# KiCad board Scopetrex.kicad_pcb (continued)
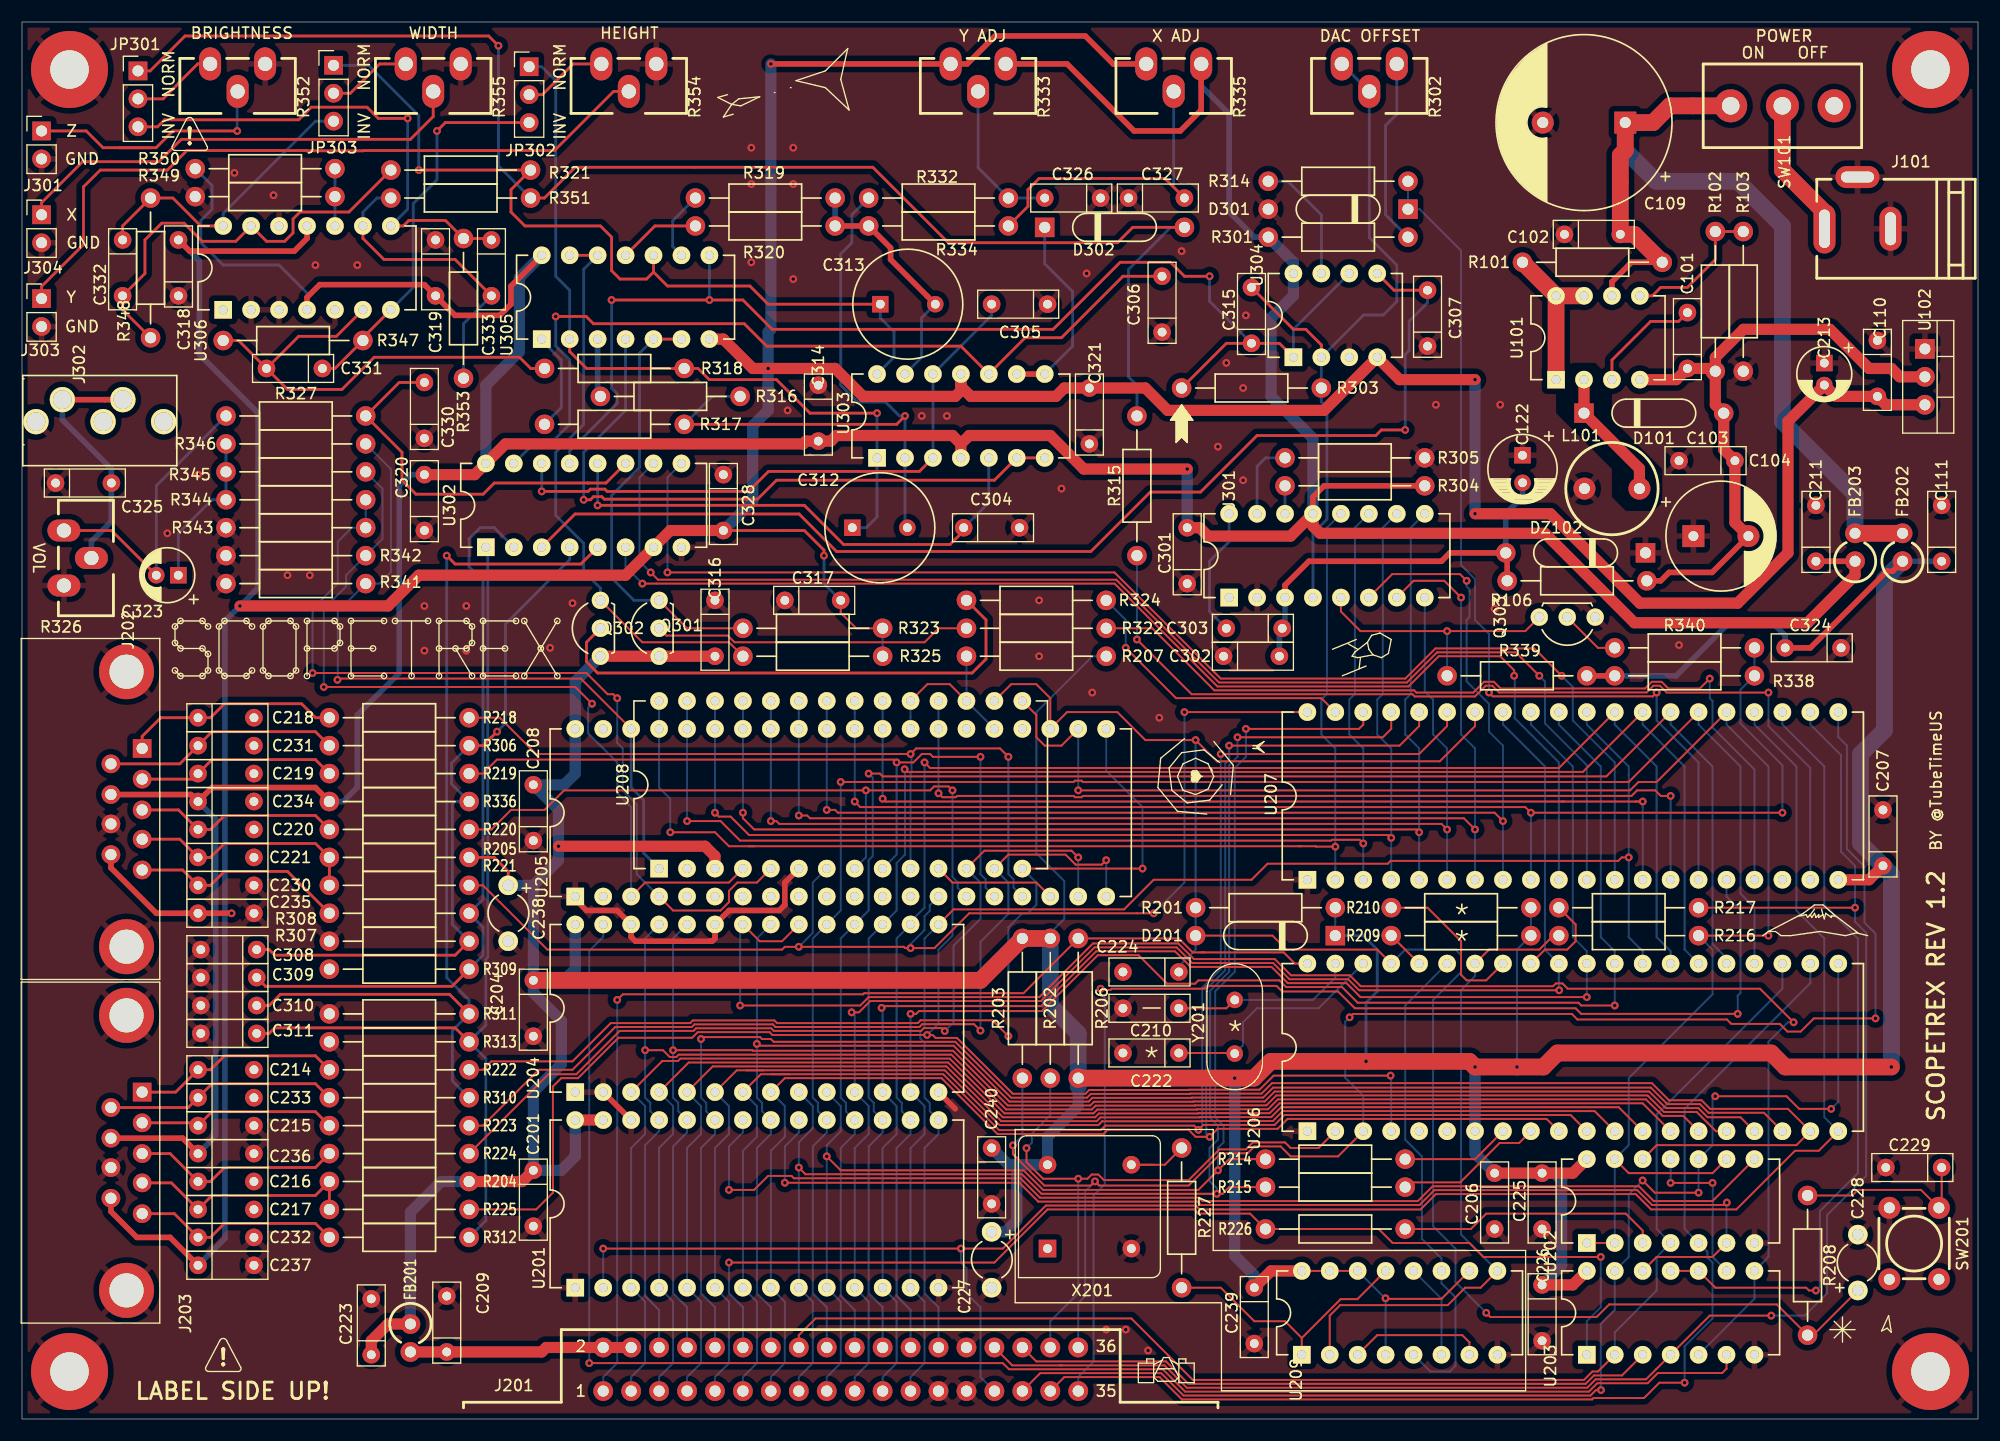
[diagram p0: board, top side]
## Routing (per net, layer and track width the routed paths; a pad name or vN(x,y) marks a point on that pad's centre or on a via; arc(x,y) is an arc through that point) (continued)
/SEL1: length 118.4
  Top w0.178: v1(139.95,67.56) 137.46,70.05 128.48,70.05 125.74,67.31 108.97,67.31 108.4,67.88 108.39,67.88 99.3,76.96 v1(58.67,76.96)
  Bottom w0.178: U302.9 58.67,85.6 v1(58.67,76.96) ; v1(139.95,67.56) 140.97,66.55 140.97,63.5 144.78,59.69 U207.12
/SH: length 109.4
  Top w0.178: v1(56.39,75.95) 99.31,75.95 108.66,66.6 126.03,66.6 128.78,69.34 134.36,69.34 135.64,68.07 v1(135.64,67.56)
  Bottom w0.178: v1(56.39,75.95) 54.86,77.47 U302.6 ; U207.10 139.7,59.69 135.69,63.7 135.69,67.51 v1(135.64,67.56)
/SW0: length 93.9
  Top w0.178: v1(89.66,34.8) 88.21,36.25 81.68,36.25 81.43,35.99 68.64,35.99 68.39,36.23 60.98,36.23 60.74,35.99 53.52,35.99 50.04,32.51 42.66,32.51 41.9,31.75 R222.2 ; U208.14 98.68,50.04 ; v1(101.85,50.04) 98.68,50.04 ; 98.68,50.04 98.55,50.04
  Bottom w0.178: U208.14 92.2,48.77 92.2,46.74 91.44,45.97 90.93,45.97 89.66,44.7 v1(89.66,34.8) ; v1(101.85,50.04) 101.85,55.63 98.55,58.93 U205.21
/SW1: length 82.4
  Top w0.178: 83.39,35.89 81.83,35.89 81.57,35.64 68.49,35.64 68.25,35.88 61.13,35.88 60.89,35.64 53.92,35.64 50.04,31.75 46.98,31.75 41.9,26.67 R223.2 ; 83.39,35.89 84.18,35.89 ; 83.39,35.89 86.54,35.89 v1(87.12,35.31) ; v1(98.55,50.8) 98.15,50.39 95.78,50.39 94.86,51.31 89.66,51.31 U208.13
  Bottom w0.178: v1(98.55,50.8) U205.20 ; U208.13 89.66,48.77 89.66,45.92 87.12,43.38 v1(87.12,35.31)
/SW2: length 79.6
  Top w0.178: v1(83.88,35.27) 83.61,35.53 81.97,35.53 81.72,35.28 68.34,35.28 68.1,35.52 61.28,35.52 61.03,35.28 54.33,35.28 50.39,31.34 47.85,31.34 R224.2 ; U208.12 87.48,51.66 95.4,51.66 v1(96.01,51.05)
  Bottom w0.178: U208.12 87.12,48.77 87.12,45.47 84.68,43.03 84.68,36.07 v1(83.88,35.27) ; U205.19 v1(96.01,51.05)
/SW3: length 132
  Top w0.178: U205.18 92.2,48.77 84.58,48.77 U208.11 ; v1(124.4,31.22) 113.77,31.22 112.49,29.93 106.05,29.93 106.03,29.91 97.01,29.91 96.66,29.57 90.06,29.57 84.98,34.65 83.04,34.65 82.78,34.91 v1(82.27,34.91) 68.21,34.91 67.95,35.17 61.42,35.17 60.92,34.66 54.22,34.66 50.55,30.99 49.02,30.99 48.26,30.23 48.26,20.57 46.74,19.05 R225.2
  Bottom w0.178: 124.46,30.23 124.46,31.16 v1(124.4,31.22) ; v1(82.27,34.91) 83.31,35.95 83.31,42.67 84.58,43.94 84.58,48.77 U208.11 ; U206.4 124.46,30.25
/SW4: length 74.6
  Top w0.178: v1(89.66,60.2) 88.9,60.96 81.28,60.96 v1(80.77,60.45) 46.74,60.45 43.43,63.75 R218.2
  Bottom w0.178: v1(89.66,60.2) 89.66,49.53 90.13,49.06 90.13,48.3 U205.17 ; v1(80.77,60.45) 80.86,60.36 80.86,58.77 80.77,58.68 U208.10
/SW5: length 70.9
  Top w0.178: v1(87.12,60.2) 82.8,60.2 82.55,60.45 81.79,60.45 81.03,59.69 v1(79.5,59.69) 79.25,59.94 43.17,59.94 41.9,58.67 R219.2
  Bottom w0.178: v1(79.5,59.69) 79.5,51.31 U208.9 ; v1(87.12,60.2) 87.12,49.53 87.59,49.06 87.59,48.3 U205.16
/SW6: length 63.4
  Top w0.178: R220.2 42.67,53.59 44.45,55.37 47.5,55.37 49.28,57.15 v1(76.71,57.15) 82.55,57.15 82.91,57.51 84.23,57.51 v1(84.58,57.15)
  Bottom w0.178: v1(84.58,57.15) 84.58,49.28 85.05,48.81 85.05,48.3 U205.15 ; v1(76.71,57.15) 76.71,51.05 U208.8
/SW7: length 110.6
  Top w0.178: v1(102.87,45.97) 86.11,45.97 82.94,42.81 v1(80.77,42.81) 80.27,42.81 80.15,42.93 v1(70.61,42.93) 69.34,42.93 69.09,42.67 47.75,42.67 43.43,46.99 43.42,46.99 41.9,48.51 R221.2 ; v1(105.66,64.26) U207.40
  Bottom w0.178: U205.14 82.51,46.7 82.51,46.19 82.04,45.72 82.04,44.45 80.77,43.18 v1(80.77,42.81) ; v1(105.66,64.26) 105.66,48.77 v1(102.87,45.97) ; U208.7 71.88,48.77 71.88,44.2 v1(70.61,42.93)
/~{BLANK}: length 86.9
  Top w0.178: v1(158.75,66.04) 149.51,66.04 148.89,66.66 148.29,66.66 147.68,66.05 134.26,66.05 133.65,66.66 133.05,66.66 132.07,65.68 126.6,65.68 126.4,65.89 106.32,65.89 v1(101.35,70.87)
  Bottom w0.178: v1(101.35,70.87) R315.2 ; U207.19 162.56,59.18 158.75,62.99 v1(158.75,66.04)
/~{CARTS}: length 58.8
  Top w0.178: J201.32 92.2,5.23 103.99,5.23 106.02,3.2 142.13,3.2 142.9,3.96 145.44,3.96 U203.3
/~{E}: length 100.7
  Top w0.178: v1(143.51,14.73) 132.84,14.73 131.57,16 124.59,16 123.32,17.27 R226.2 111.63,18.67 106.93,18.67 106.55,19.05 93.22,19.05 88.39,14.22 v1(64.26,14.22)
  Bottom w0.178: v1(64.26,14.22) 64.26,11.43 65.53,10.16 J201.12 ; U203.1 142.24,8.89 143.51,10.16 v1(143.51,14.73)
/~{HALT}: length 102.3
  Top w0.178: 107.44,42.42 114.69,42.42 115.71,41.4 U206.40 ; 107.44,42.42 107.19,42.42 ; 107.44,42.42 106.42,42.42 105.15,43.69 R206.1 91.03,38.71 76.56,38.71 76.46,38.61 54.61,38.61 v1(54.1,38.1)
  Bottom w0.178: v1(54.1,38.1) 54.1,5.08 52.83,3.81 J201.1
/~{IOS}: length 70.9
  Top w0.178: U203.11 U203.10 153.92,11.94 162.18,11.94 162.43,11.68 v1(163.07,11.68)
  Bottom w0.178: U207.23 160.02,63.13 163.83,59.32 163.83,46.74 166.88,43.69 166.88,22.35 163.42,18.9 163.42,12.04 v1(163.07,11.68)
/~{IRQ}: length 149
  Top w0.178: 97.8,21.34 v1(97.54,21.6) ; v1(97.54,21.6) 97.16,21.22 92.93,21.22 90.08,24.08 v1(90.08,24.88) ; v1(97.54,21.6) 97.92,21.22 106.05,21.22 108.99,24.16 111.4,24.16 112.02,24.78 114.41,24.78 115.32,23.88 119.63,23.88 U206.3 ; v1(120.68,36.52) 120.98,36.82 140.88,36.82 141.38,36.32 154.98,36.32 155.38,35.92 159.78,35.92 160.48,35.22 161.68,35.22 162.88,36.42 v1(168.48,36.42)
  Bottom w0.178: v1(97.54,21.6) 96.65,20.71 96.65,11.18 96.01,10.54 J201.36 ; v1(168.48,36.42) 168.48,44.12 167.48,45.12 167.48,50.22 165.88,51.82 165.88,61.22 165.1,62 U207.21 ; v1(120.68,36.52) 120.28,36.12 120.28,31.02 121.92,29.38 U206.3 ; R203.1 90.93,25.74 v1(90.08,24.88)
/~{NMI}: length 56.3
  Top w0.178: v1(91.31,24.63) 91.31,23.35 92.81,21.84 96.86,21.84 97.24,22.22 97.83,22.22 98.34,21.72 106.04,21.72 108.84,24.51 111.25,24.51 111.89,25.15 114.81,25.15 115.32,24.64 117.86,24.64 U206.2
  Bottom w0.178: v1(91.31,24.63) 91.8,25.11 91.8,25.93 93.47,27.61 R202.1 ; v1(96.01,21.84) 96.01,11.43 93.47,8.89 J201.34
/~{RAMP}: length 78.8
  Top w0.178: v1(153.42,67.31) 152.51,66.41 149.65,66.41 149.04,67.02 148.14,67.02 147.53,66.41 134.41,66.41 133.8,67.02 132.9,67.02 131.93,66.04 126.75,66.04 126.54,66.24 108.38,66.24 102.74,71.88 R322.2
  Bottom w0.178: U207.17 157.48,59.05 153.67,62.86 153.67,65.28 153.42,65.53 v1(153.42,67.31)
/~{RAMS}: length 149.2
  Top w0.178: v1(65.28,37.59) 76.2,37.59 76.96,38.35 92.47,38.35 97.35,43.23 105.11,43.23 106.53,41.81 113.88,41.81 115.35,40.34 120.7,40.34 121.69,39.34 139.17,39.34 139.43,39.6 140.03,39.6 140.51,39.12 157.99,39.12 v1(161.04,36.07) ; U204.20 69.09,43.43 67.06,43.43 U204.22
  Bottom w0.178: v1(161.04,36.07) 160.53,36.07 158.75,34.28 158.75,14.73 U203.8 157.48,10.92 U203.5 ; U204.22 65.28,44.7 v1(65.28,37.59)
/~{RESET}: length 173.2
  Top w0.178: C228.1 162.81,7.62 R208.1 159.51,10.41 144.27,10.41 143.13,9.27 133.48,9.27 v1(133.1,9.65) ; U208.16 89.92,66.8 92.2,66.8 93.47,65.53 U205.23 95,64.26 99.57,64.26 102.11,61.72 v1(106.68,61.72) 108.61,59.79 128.88,59.79 132.08,62.99 U207.34 ; D201.2 113.67,43.94 114.94,42.67 123.19,42.67 U206.37
  Bottom w0.178: v1(133.1,9.65) 130.3,12.45 130.3,15.49 128.27,17.53 128.27,38.1 130.81,40.64 130.81,42.16 130.3,42.67 125.73,42.67 U206.37 ; C224.1 105.16,41.15 106.68,42.67 D201.2 R201.2 v1(106.68,61.72)
/~{ROMOE}: length 104.3
  Top w0.178: U202.8 153.67,19.81 148.33,19.81 146.98,21.16 128.23,21.16 126.88,19.81 107.3,19.81 106.99,20.12 92.53,20.12 90.76,21.88 70.17,21.88 69.95,22.1 67.82,22.1 66.55,20.83 v1(64.26,20.83)
  Bottom w0.178: U201.22 65.53,26.05 64.26,24.78 v1(64.26,20.83)
/~{ROMS}: length 106.2
  Top w0.178: U202.6 153.67,14.73 148.59,14.73 U203.12 ; v1(154.97,19.67) 154.75,19.46 148.18,19.46 146.83,20.8 128.38,20.8 127.03,19.46 107.15,19.46 106.85,19.76 92.38,19.76 90.67,21.48 v1(69.34,21.48)
  Bottom w0.178: U202.6 154.94,19.65 v1(154.97,19.67) ; U201.20 70.61,26.05 69.34,24.78 v1(69.34,21.48)
/~{ZERO}: length 26.5
  Top w0.178: v1(100.33,70.1) 104.9,65.53 118.11,65.53 U207.39
  Bottom w0.178: R324.2 100.33,72.64 v1(100.33,70.1)
Net-(C101-Pad1): length 57.7
  Top w0.508: R106.2 148.96,76.2 149.72,76.96 153.63,76.96 C104.2
  Top w1.016: U101.4 150.37,94.49 C101.1 153.67,95.5 R102.2 ; R102.2 153.92,92.2 D101.2 154.69,88.14 C103.1 155.7,81.49 C104.2 ; R102.2 153.92,96.51 156.48,99.06 164.34,99.06 167.89,95.5 169.93,95.5 170.69,94.74 U102.2
Net-(C101-Pad2): length 10.4
  Top w0.254: C101.2 150.58,99.78 148.04,99.78 144.53,96.27 U101.3
Net-(C102-Pad2): length 86.7
  Top w0.508: R101.2 146.3,105.16 144.53,103.38 U101.6
  Top w1.524: FB202.2 FB203.2 ; R101.2 146.56,107.7 C102.2 145.29,114.88 145.74,115.33 C109.1 148.26,117.86 149.78,119.38 SW101.1
  Bottom w1.524: C109.1 145.74,115.33 148.55,112.52 155.96,112.52 160.02,108.46 160.02,90.68 166.62,84.07 FB203.2
Net-(C209-Pad1): length 20.2
  Top w1.016: FB201.2 C209.1 47.24,6.1 47.65,6.5 J201.2 J201.4
Net-(C210-Pad1): length 17
  Top w0.178: C210.1 109.47,37.34 Y201.1 109.98,38.35
  Bottom w0.178: Y201.1 117.35,38.1 119.38,40.13 U206.39
Net-(C214-Pad1): length 18.9
  Top w0.254: R222.1 26.67,33.02 18.4,33.02 17.13,31.75 C214.1 13.97,29.72 J203.1
Net-(C215-Pad1): length 18.2
  Top w0.254: J203.2 15.74,26.93 C215.1 17.27,27.94 26.67,27.94 R223.1
Net-(C216-Pad1): length 19.1
  Top w0.254: R224.1 26.67,22.86 18.4,22.86 17.13,21.59 C216.1 13.46,24.13 J203.3
Net-(C217-Pad1): length 21.6
  Top w0.254: R225.1 R204.2 26.67,20.32 17.27,20.32 C217.1 13.58,21.47 J203.4
Net-(C218-Pad1): length 19.9
  Top w0.254: J202.1 10.92,62.06 12.61,63.75 C218.1 17.13,63.75 18.4,65.02 25.41,65.02 26.68,63.75 R218.1
Net-(C219-Pad1): length 18.3
  Top w0.254: J202.2 15.5,58.17 C219.1 17.27,59.94 26.67,59.94 R219.1
Net-(C220-Pad1): length 18.8
  Top w0.254: R220.1 26.67,54.86 18.4,54.86 17.13,53.59 C220.1 14.23,55.37 J202.3
Net-(C221-Pad1): length 21.3
  Top w0.254: J202.4 14.35,52.71 C221.1 17.13,51.05 18.4,52.32 26.67,52.32 R205.2 R221.1
Net-(C222-Pad1): length 21.4
  Top w0.178: Y201.2 110.18,33.27 C222.1
  Bottom w0.178: U206.38 117.86,37.34 112.27,37.34 110.99,36.06 110.99,33.97 Y201.2
Net-(C229-Pad1): length 16.6
  Top w0.178: R208.2 166.37,20.32 166.88,20.83 172.62,20.83 SW201.2 174.5,19.45 C229.1
Net-(C230-Pad1): length 19.7
  Top w0.254: R308.1 24.13,49.78 18.4,49.78 17.13,48.51 C230.1 14.61,49.91 J202.5
Net-(C231-Pad1): length 21.6
  Top w0.254: R306.1 26.67,62.48 17.27,62.48 C231.1 14.35,59.56 J202.6
Net-(C232-Pad1): length 19
  Top w0.254: J203.5 13.84,18.67 C232.1 17.13,16.51 18.4,17.78 26.67,17.78 R312.1
Net-(C233-Pad1): length 22
  Top w0.254: J203.6 15.11,28.32 C233.1 ; C233.1 15.49,29.72 ; C233.1 17.27,30.48 26.67,30.48 R310.1
Net-(C303-Pad2): length 11.8
  Bottom w0.254: U301.16 109.73,79.76 107.95,77.98 107.95,73.41 C303.2
Net-(C304-Pad1): length 46.8
  Top w0.254: 85.88,81.03 84.36,79.5 74.68,79.5 71.12,83.06 v1(52.32,83.06)
  Bottom w0.254: C304.1 87.88,83.31 U303.5 ; U302.12 v1(52.32,83.06)
Net-(C305-Pad2): length 55.7
  Top w0.254: v1(47.24,84.33) 51.46,84.33 51.66,84.53 52.99,84.53 53.19,84.33 66.04,84.33 67.86,86.14 81.57,86.14 U303.3
  Bottom w0.254: U303.3 U303.12 88.14,100.33 C305.2 ; v1(47.24,84.33) U302.14
Net-(C306-Pad2): length 77.9
  Top w0.254: v1(48.51,100.23) 51.28,100.23 51.94,99.57 65.66,99.57 67.69,97.54 85.34,97.54 U303.10 91.19,98.3 94.49,98.3 100.08,103.89 C306.2
  Bottom w0.254: U302.15 46.74,88.9 48.26,88.9 49.78,90.42 49.78,96.29 48.51,97.56 v1(48.51,100.23)
Net-(C307-Pad2): length 104.5
  Top w0.254: U302.3 50.27,82.27 70.64,82.27 74.04,78.87 97.16,78.87 102.55,84.26 107.12,84.26 112.27,89.41 123.06,89.41 123.57,89.92 v1(125.73,89.92) ; U304.5 124.71,102.62 C307.2
  Bottom w0.254: C307.2 127.76,101.48 126.09,99.81 126.09,97.13 125.73,96.77 v1(125.73,89.92)
Net-(C312-Pad1): length 70.4
  Top w0.254: U305.2 49.78,97.04 51.32,95.5 R318.2 61.46,95.5 62.47,94.49 68.58,94.49 71.63,91.44 v1(77.72,91.44)
  Bottom w0.254: v1(77.72,91.44) U303.1 77.72,82.01 76.74,81.03 C312.1 ; U305.2 49.78,102.62 48.51,103.89 48.51,121.67 47.24,122.94 JP302.1
Net-(C312-Pad2): length 61.8
  Top w0.254: v1(80.26,91.19) 79.5,90.42 R317.2
  Bottom w0.254: C312.2 80.26,81.24 U303.2 v1(80.26,91.19) 79.76,91.19 78.49,92.46 75.95,92.46 74.42,93.98 74.42,105.92 75.44,106.93 75.44,109.47 R332.1 ; R316.1 62.74,92.96 R317.2
Net-(C313-Pad1): length 77.7
  Top w0.254: 57.4,104.27 U305.10 ; 57.4,104.27 58.67,103 66.17,103 67.82,101.35 C313.1 ; 57.4,104.27 56.77,103.63 54.36,103.63 53.59,104.39 53.59,107.44 52.58,108.46 45.72,108.46 44.45,109.73 44.45,111.76 R321.1 v1(36.07,113.54)
  Bottom w0.254: U303.14 79.27,96.54 79.27,98.84 78.02,100.09 C313.1 ; JP303.1 31.5,123.06 36.07,118.49 v1(36.07,113.54)
Net-(C313-Pad2): length 25.2
  Top w0.508: C313.2 78.95,105.41 78.95,106.47 R334.2 R320.2
  Bottom w0.254: C313.2 81.77,100.1 81.77,96.5 U303.13 ; R320.2 R319.1
  Bottom w0.508: 73.91,110.87 73.91,108.33
Net-(C315-Pad1): length 109.2
  Top w0.254: v1(53.59,101.73) v1(62.48,101.73) 65.53,101.73 68.2,99.06 93.73,99.06 99.82,105.16 104.39,105.16 105.66,103.89 v1(107.95,103.89) ; R303.1 109.47,97.79 C315.1 114.3,97.79 U304.1
  Bottom w0.254: v1(62.48,101.73) U305.8 ; U304.6 115.57,99.06 U304.1 ; U302.13 49.78,88 54.1,92.32 54.1,93.21 53.59,93.71 v1(53.59,101.73) ; v1(107.95,103.89) 107.95,101.6 C315.1
Net-(C315-Pad2): length 64.8
  Top w0.254: C315.2 115.57,99.06 116.7,99.06 118.11,97.65 U304.2
  Bottom w0.254: U301.4 117.35,80.52 118.62,81.79 118.62,91.96 118.11,92.47 R303.2 U304.2 121.96,100.37 123.74,100.37 124.97,101.6 124.97,104.9 122.47,107.4 R302.2 R302.3
Net-(C323-Pad1): length 14.5
  Bottom w0.254: C323.1 14.21,80.5 17.27,83.57 R344.1 R345.1 R346.1
Net-(C323-Pad2): length 27.2
  Top w0.254: R326.1 8.14,80.77 C323.2
  Bottom w0.254: R327.1 12.21,84.85 C323.2
Net-(C325-Pad2): length 22.5
  Top w0.508: J302.2 J302.3
  Bottom w0.508: J302.2 3.67,90.82 8.13,86.36 8.13,81.6 6.31,79.78 R326.2
Net-(C326-Pad2): length 14.1
  Bottom w0.254: R333.2 86.91,113.75 R332.2 C326.2
Net-(C327-Pad2): length 29.5
  Top w0.254: R334.1 91.44,110.24 91.44,111.76 92.46,112.78 103.89,112.78 C327.2
  Bottom w0.254: C327.2 104.69,111.97 R335.2
Net-(C330-Pad2): length 35.8
  Top w0.254: U302.11 53.09,85.09 51.43,85.09 42.93,85.09 41.91,84.07 35.81,84.07 34.54,85.34 34.54,87.88 R327.2 34.29,94.23 C330.2
Net-(C331-Pad1): length 35.3
  Top w0.254: v1(37.72,117.09) 38.48,117.86 JP302.3 ; U306.7 30.99,98.3 R347.1 28.45,95.5 C331.1
  Bottom w0.254: U306.7 35.56,102.87 35.56,110.49 37.72,112.65 v1(37.72,117.09)
Net-(C331-Pad2): length 43.7
  Top w0.254: R318.1 46.24,95.5 45.22,96.52 32,96.52 29.08,93.6 24.13,93.6 22.22,95.5 ; R347.2 19.69,98.04 22.22,95.5 ; 22.22,95.5 25.15,98.42 28.58,98.42 U306.6
Net-(C332-Pad1): length 27.2
  Top w0.254: U306.14 16.26,108.46 13.72,111 R348.2 9.14,108.46 C332.1
  Bottom w0.254: U306.14 18.29,109.59 26.68,117.98 28.32,117.98
Net-(C332-Pad2): length 39
  Top w0.254: R321.2 29.72,109.73 25.27,109.73 24.64,109.09 24.64,107.82 23.88,107.06 22.22,107.06 U306.13 19.43,107.06 16.38,107.06 14.73,108.71 12.7,108.71 11.18,107.19 11.18,104.14 C332.2 9.14,100.84 R348.1
Net-(C333-Pad1): length 46.2
  Top w0.254: U306.8 34.66,108.46 35.17,108.97 38.48,108.97 R353.2 42.55,107.31 C333.1 ; JP301.3 12.32,117.47 12.95,118.11 25.15,118.11 26.29,119.25 31.37,119.25 32.39,118.24 v1(35.05,118.24)
  Bottom w0.254: v1(35.05,118.24) 35.05,109.98 U306.8
Net-(C333-Pad2): length 28.6
  Top w0.254: 35.05,105.41 32.9,105.41 30.99,107.33 U306.9 ; 35.05,105.41 35.81,105.41 ; 35.05,105.41 39.37,105.41 C333.2
  Bottom w0.254: R351.2 32.27,111 30.99,109.72 U306.9 ; R353.1 40.13,99.57 C333.2
Net-(D302-Pad1): length 18
  Top w0.508: U303.8 U303.9
  Bottom w0.254: D302.1 92.96,105.03 95.5,102.49 95.5,97.54 U303.8
Net-(J101-Pad1): length 12.8
  Top w1.524: SW101.2 160.02,113.54 163.85,109.71 J101.1
Net-(JP301-Pad2): length 8
  Top w0.254: JP301.2 12.83,120.01 14.22,121.41 14.22,121.44 15.97,123.19 17.23,123.19
Net-(JP302-Pad2): length 7.6
  Top w0.254: JP302.2 47.3,120.4 50.1,123.19 52.53,123.19
Net-(JP303-Pad2): length 7.7
  Top w0.254: JP303.2 29.84,120.52 32.51,123.19 R355.3
Net-(Q301-Pad2): length 29
  Top w0.178: Q301.2 58.57,71.22 64.16,71.22 64.76,70.61 82.04,70.61 83.31,71.88 R322.1
Net-(Q302-Pad2): length 46.9
  Top w0.254: Q302.2 51.31,70.61 51.31,68.83 52.32,67.82 86.36,67.82 87.63,69.09 87.63,72.64 R324.1
Net-(Q303-Pad2): length 5.5
  Top w0.178: R340.2 143.26,70.1 Q303.2
Net-(Q303-Pad3): length 24.6
  Top w0.178: Q303.3 136.65,71.63 v1(129.54,71.63) 121.67,71.63 119.89,73.41 U301.5
  Bottom w0.178: R339.1 v1(129.54,71.63)
Net-(R101-Pad1): length 14.5
  Top w1.524: U101.8 U101.1 ; U101.8 U101.7 ; U101.8 R101.1
Net-(R102-Pad1): length 13.3
  Top w0.254: U101.5 148.2,102.11 148.96,102.87 151.38,102.87 153.92,105.41 R102.1 R103.2
Net-(R207-Pad1): length 16.5
  Top w0.178: U208.19 82.3,66.8 84.33,66.8 U208.17
  Bottom w0.178: U205.28 U208.19 ; R207.1 U208.17 U205.25
Net-(R209-Pad2): length 3.6
  Top w0.178: R209.2 U206.36
Net-(R210-Pad1): length 15.3
  Top w0.178: R210.1 127.76,46.48 130.81,43.43 130.81,40.39 131.32,39.88 133.1,39.88 U206.33
Net-(R226-Pad1): length 23.9
  Top w0.178: U202.3 147.32,17.13 145.78,18.67 133.1,18.67 131.7,17.27 R226.1
Net-(R227-Pad1): length 24.5
  Top w0.178: R227.1 108.97,11.94 112.01,8.89 114.81,8.89 116.33,7.37 ; 116.33,7.37 U209.1 ; 116.33,7.37 119.86,10.9 121.39,10.9 U209.13
Net-(R227-Pad2): length 7.2
  Top w0.178: 102.87,23.11 X201.5 103.89,23.11 R227.2
Net-(R301-Pad1): length 17
  Bottom w0.254: R302.1 124.97,118.62 123.95,117.6 123.95,109.47 R301.1
Net-(R304-Pad1): length 2.5
  Bottom w0.254: R304.1 U301.14
Net-(R305-Pad2): length 7.2
  Bottom w0.254: R305.2 113.03,87.38 112.27,86.61 U301.15
Net-(R314-Pad2): length 11.4
  Bottom w0.254: R314.2 115.06,112.52 118.11,109.47 U304.7
Net-(R316-Pad2): length 5.3
  Bottom w0.508: R316.2 52.32,93.22 U305.3
Net-(R317-Pad1): length 9.5
  Top w0.254: 47.24,90.68 R317.1
  Bottom w0.254: R317.1 49.02,91.95 49.02,96.27 47.24,98.04 U305.1
Net-(R319-Pad2): length 6.4
  Bottom w0.254: R319.2 59.14,108.93 59.14,106.59 U305.9
Net-(R320-Pad1): length 7.5
  Top w0.254: U305.11 57.53,108.46 R320.1
Net-(R349-Pad2): length 5.2
  Bottom w0.254: U306.10 R349.2 R350.1
Net-(U202-Pad11): length 14.9
  Top w0.178: v1(153.67,21.46) v1(149.86,21.46)
  Bottom w0.178: U202.11 v1(149.86,21.46) ; 153.67,14.73 153.92,14.48 ; 153.67,14.73 153.67,18.4 153.7,18.43 153.7,21.44 v1(153.67,21.46) ; 153.67,14.73 153.92,14.48 ; 153.92,14.48 U203.9
Net-(U209-Pad3): length 12.3
  Top w0.178: U209.7 131.57,6.97 130.93,7.62 123.19,7.62 U209.3
Net-(U209-Pad12): length 8.7
  Bottom w0.178: U209.12 129.03,10.92 U209.6
Net-(U303-Pad6): length 59.9
  Top w0.254: U303.7 U303.6 88.39,85.34 68.58,85.34 66.85,83.62 52.93,83.62 52.7,83.85 51.95,83.85 51.67,83.57 v1(51.05,83.57)
  Bottom w0.254: U305.4 54.86,91.69 51.05,87.88 v1(51.05,83.57)

## Copper pours and planes (outline as drawn; the poured copper is in the pictures)
GND on Top: 0,127 0,0 177.8,0 177.8,127
GND on Bottom: 0,0 0,127 71.11,127 71.13,0.63
GND on Bottom: 71.12,127 71.12,0 177.84,0 177.84,127

## Text on the board
B.Silkscreen: Shouts to: / aek, Jim, and Hedley / ##yamahasynths / Z and the Retro Dreams crew
F.Silkscreen: BY @TubeTimeUS | GND | Z | X | Y | BRIGHTNESS | WIDTH | HEIGHT | Y ADJ | X ADJ | DAC OFFSET | ON | POWER | OFF | NORM | INV | VOL | LABEL SIDE UP! | ! | SCOPETREX REV 1.2 | - | *
